# Altium PCB TFT-ES32-V1.1.PcbDoc (part 2 of 2)
Units mm, origin at the board's own origin, x right, y up, seen from the top; angles counter-clockwise.
Board outline 181.1 x 103.94 mm, 2 copper layers (Top, Bottom), stack 1.57 mm thick; 160 components, 110 nets, 535 pads, 316 vias.
Unrouted connection lines stored in the file: 1.
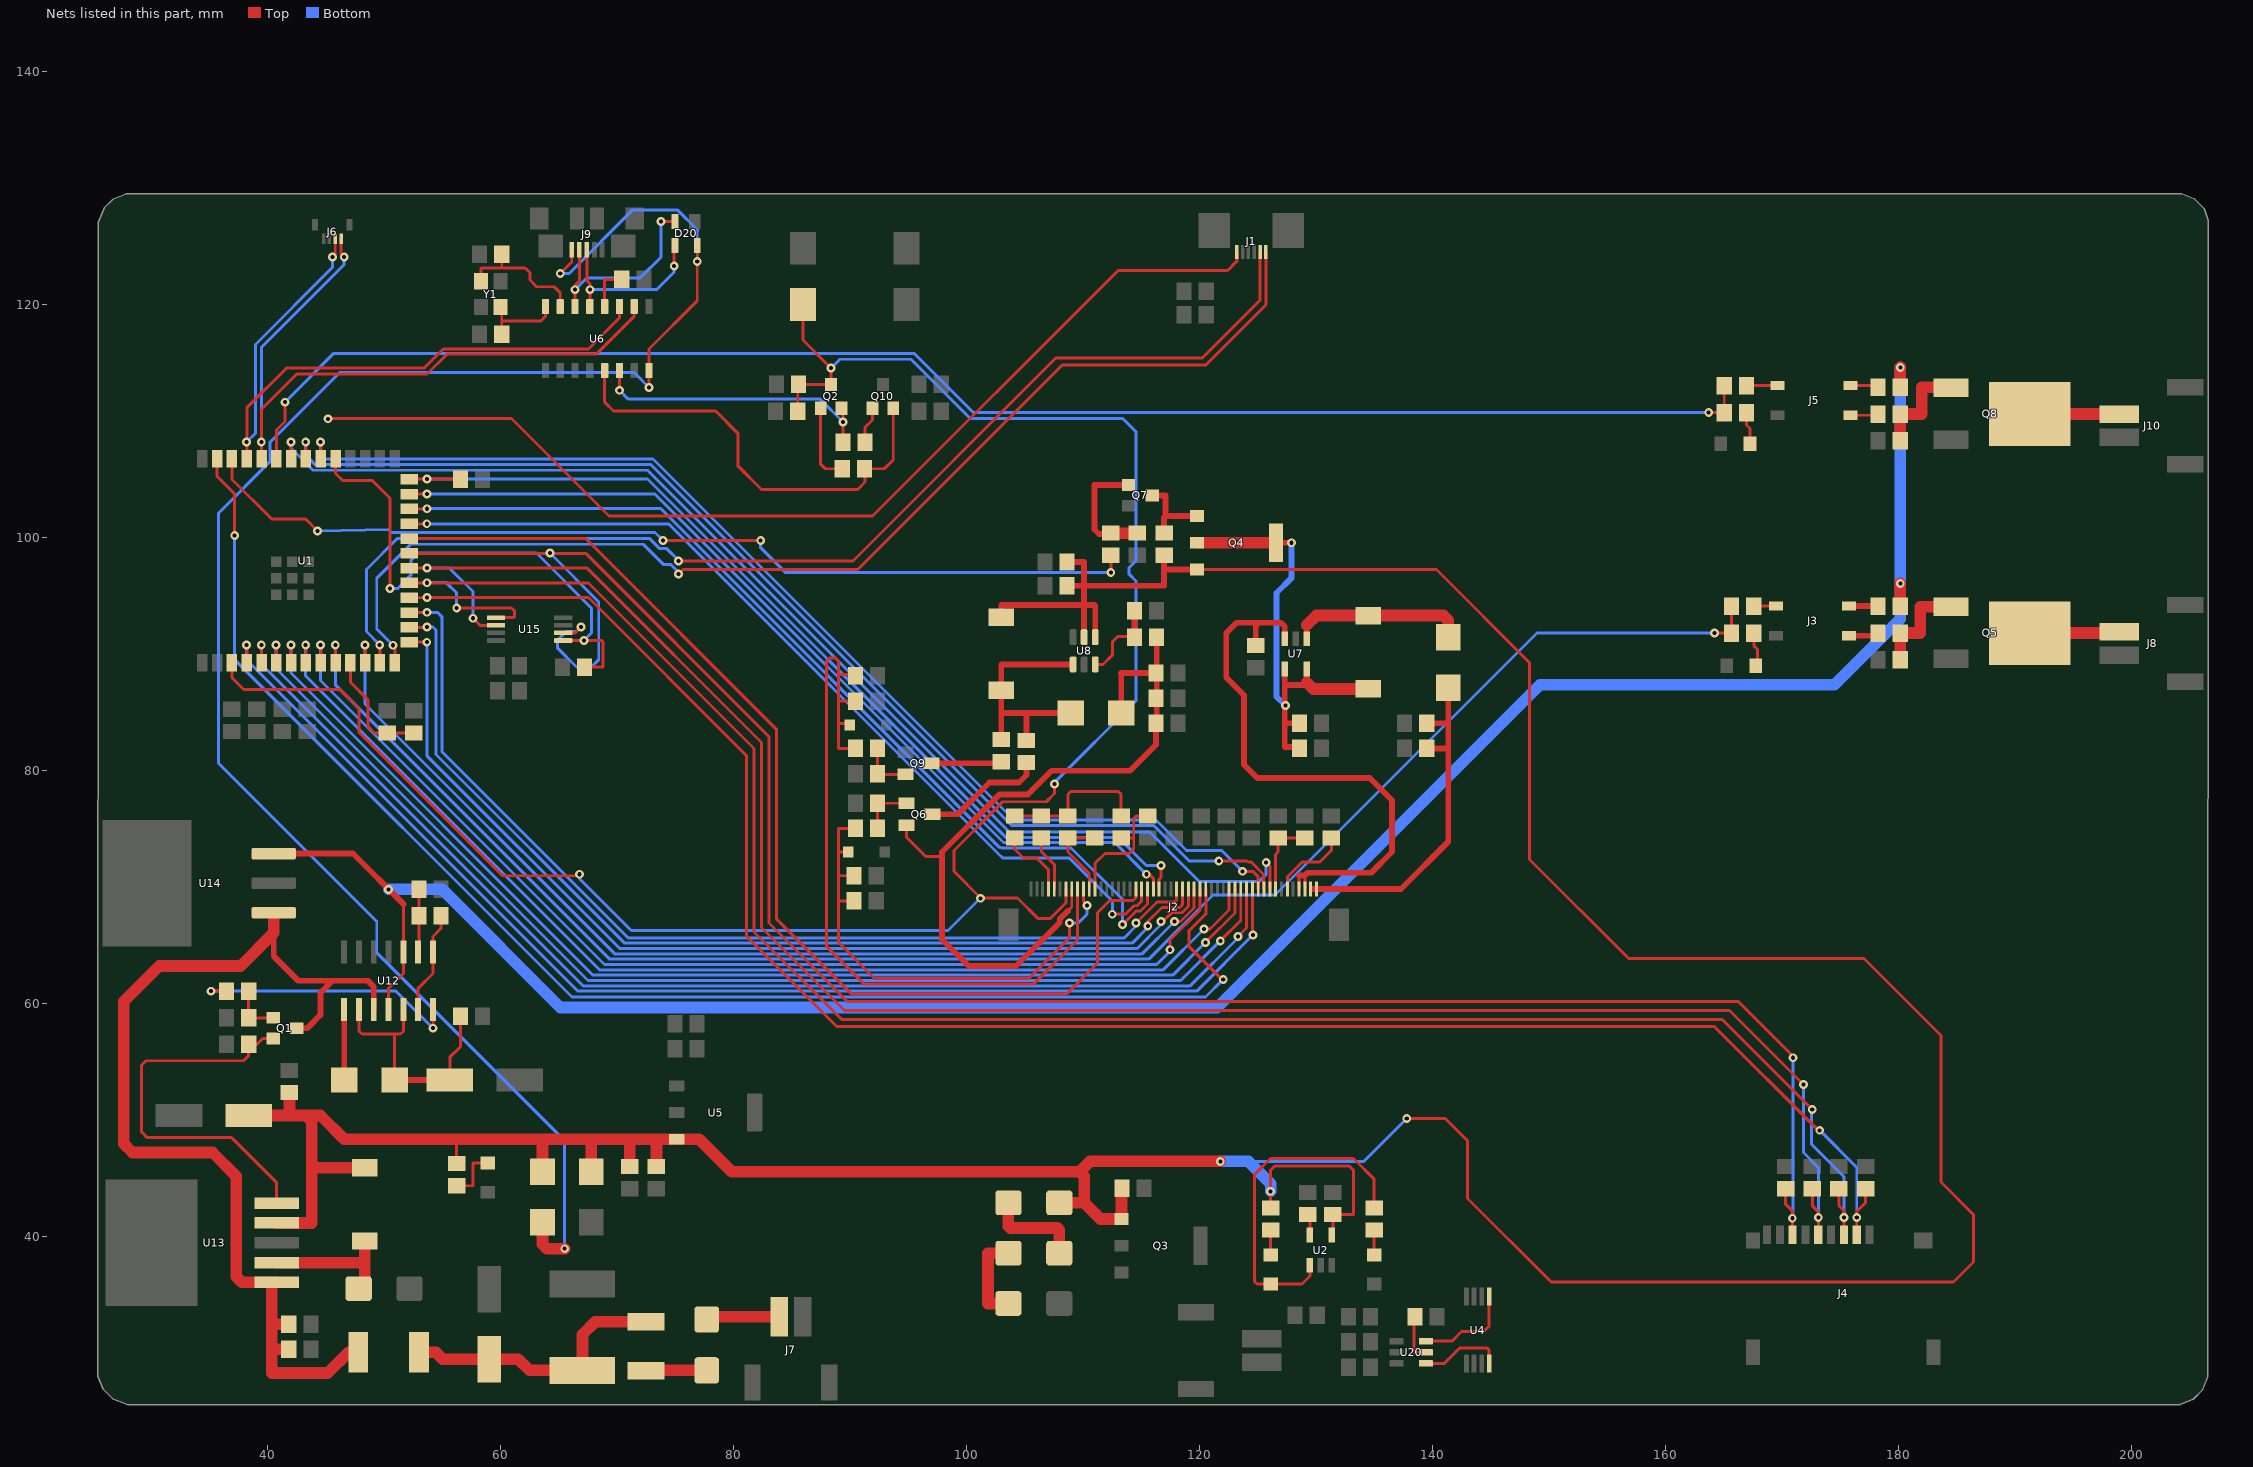
[diagram p2: the nets of this part, all layers, seen from the top]

## Via types
v1: diameter 0.756/0.756 (per signal layer), hole 0.35, Top to Bottom, 312 vias
v2: diameter 4.216/4.216 (per signal layer), hole 3.2, Top to Bottom, 4 vias

## Nets (pads, with @x,y where several pads share a name; then routed paths per layer and width w, separated by ;. In a path a pad name is that pad's centre, name@x,y a point inside that pad or via, vN(x,y) a via of type N, cw(c..) or ccw(c..) an arc to the next point about the centre after c; other vN are vias at no path point) (continued)
NetC11_2: C11.2 FLASH.1 J2.7 Q2.3 R18.1 U1.3 | length 179
  Top w0.254: U1.3@36.981,89.273 36.981,87.987 37.973,86.995 46.228,86.995 47.879,85.344 47.879,83.312 60.198,70.993 v1@66.675,70.993 ; R18.1@85.532,110.871 85.532,113.091 C11.2@85.598,113.157 Q2.3@88.392,113.157 v1(88.392,114.554) 85.979,116.967 FLASH.1@85.979,120.015 ; v1(107.569,78.867) 107.569,78.046 106.866,77.343 103.124,77.343 98.933,73.152 98.933,71.374 101.219,69.088 104.394,69.088 106.172,67.31 107.188,67.31 108.546,68.668 J2.7@108.546,69.856
  Bottom w0.254: v1(66.802,71.12) 66.802,70.739 71.247,66.294 98.425,66.294 v1@101.219,69.088 ; v1(88.392,114.554) 89.154,115.316 95.25,115.316 100.33,110.236 113.411,110.236 114.554,109.093 114.554,98.03 113.973,97.448 113.973,96.862 114.554,96.28 114.554,85.979 107.632,79.057 v1@107.632,78.803
  other v1: 101.219,69.058
NetC14_2: C14.2 C15.2 L1.1 Q4.2 Q4.4 U7.4 U7.5 | length 41.2
  Top w0.254: C15.2@128.539,84.252 C15.2@128.717,84.074 ; 129.007,87.376 129.21,87.579
  Top w0.5: Q4.4@126.59,99.568 v1(127.889,99.568) ; U7.4@127.33,88.748 127.33,87.376 ; C14.2@128.59,82.042 127.33,82.042 127.33,84.074 ; C15.2@128.717,84.074 C15.2@128.59,84.074 127.33,84.074 ; 129.007,87.376 127.33,87.376 ; 129.21,87.579 U7.5@129.21,88.748 ; 127.33,84.074 127.33,87.376
  Top w1: Q4.2@119.79,99.568 Q4.4@126.59,99.568 ; 129.21,87.579 129.769,87.02 L1.1@134.493,87.02
  Bottom w0.5: v1(127.381,85.598) 126.619,86.36 126.619,95.25 127.889,96.52 v1(127.889,99.568)
NetC16_2: C16.2 C17.2 D6.2 J2.49 J2.50 | length 30
  Top w0.254: 141.351,81.28 141.478,81.407 ; 141.351,83.439 141.478,83.566
  Top w0.5: J2.49@129.667,69.856 J2.50@130.046,69.856 137.293,69.856 141.351,73.914 141.351,81.28 141.351,83.439 D6.2@141.351,86.735 ; C17.2@139.507,81.915 141.224,81.915 ; C16.2@139.507,84.074 141.224,84.074
NetC20_2: C20.2 C23.2 C24.2 D9.2 J2.8 Q6.2 R12.2 | length 66
  Top w0.254: Q6.2@94.869,75.316 94.869,74.295 96.52,72.644 97.917,72.644 ; 108.712,67.978 109.046,68.312 J2.8@109.046,69.856 ; 113.284,88.392 113.29,88.386 ; C24.2@116.271,84.074 C24.2@116.332,84.135 ; C20.2@116.271,88.392 C20.2@116.332,88.392
  Top w0.5: 108.712,67.978 108.008,67.273 108.008,66.987 104.267,63.246 100.203,63.246 97.917,65.532 97.917,72.644 97.917,73.025 102.87,77.978 105.283,77.978 107.315,80.01 114.046,80.01 116.271,82.235 C24.2@116.271,84.074 ; 113.284,88.392 C20.2@116.271,88.392 ; D9.2@113.29,84.963 113.29,88.386 ; C24.2@116.332,84.135 116.332,88.392 R12.2@116.332,91.44
NetC25_1: C25.1 Q6.3 | length 10.6
  Top w0.5: Q6.3@97.069,76.266 99.253,76.266 101.981,78.994 104.521,78.994 105.156,79.629 C25.1@105.156,80.711
NetC25_2: C25.2 C29.2 D9.1 L2.2 U8.1 | length 21
  Top w0.254: 102.997,89.1 103.024,89.127 ; 105.156,84.836 105.283,84.963
  Top w0.5: C29.2@102.997,82.672 102.997,84.963 ; 102.997,89.1 L2.2@102.997,86.893 102.997,84.963 ; 103.024,89.127 U8.1@109.159,89.127 ; C25.2@105.156,82.611 105.156,84.836 ; D9.1@108.96,84.963 105.283,84.963 102.997,84.963
NetC26_2: C26.2 Q6.1 R27.2 | length 4.6
  Top w0.254: R27.2@92.39,75.057 C26.2@92.39,77.216 Q6.1@94.869,77.216
NetC27_2: C27.2 D13.2 J2.10 R27.1 R30.2 | length 42.7
  Top w0.254: D13.2@89.865,73.025 89.027,73.025 ; R30.2@90.363,68.834 89.027,68.834 ; C27.2@90.363,70.993 89.154,70.993 89.027,71.12 ; R27.1@90.49,75.057 89.027,75.057 89.027,73.025 ; v1(108.839,66.929) 108.839,65.659 105.359,62.179 92.126,62.179 89.027,65.278 89.027,68.834 ; J2.10@110.046,69.856 110.046,68.77 v1(110.363,68.453) ; 89.027,68.834 89.027,71.12 ; 89.027,71.12 89.027,73.025
  Bottom w0.254: v1(108.839,66.929) 109.601,66.929 110.363,67.691 v1(110.363,68.453)
NetC29_1: C29.1 Q9.3 | length 6.1
  Top w0.254: C29.1@102.87,80.645 C29.1@102.997,80.772
  Top w0.5: Q9.3@96.985,80.645 C29.1@102.87,80.645
NetC33_2: C33.2 Q9.2 R50.2 | length 4.6
  Top w0.254: R50.2@92.39,81.915 C33.2@92.39,79.756 92.451,79.695 Q9.2@94.785,79.695
NetC34_2: C34.2 D15.1 J2.9 R50.1 R52.2 | length 67.5
  Top w0.254: D15.1@89.992,83.947 89.865,84.074 89.027,84.074 ; R50.1@90.49,81.915 89.027,81.915 89.027,84.074 ; C34.2@90.49,85.979 89.027,85.979 ; R52.2@90.49,88.138 90.363,88.265 89.027,88.265 ; J2.9@109.546,69.856 109.546,67.224 109.547,67.222 109.547,66.636 109.546,66.634 109.546,65.477 105.791,61.722 91.186,61.722 88.011,64.897 88.011,89.408 88.265,89.662 88.773,89.662 89.027,89.408 89.027,88.265 ; 89.027,84.074 89.027,85.979 ; 89.027,85.979 89.027,88.265
NetC50_1: C50.1 F1.2 L10.1 RT1.2 | length 23.7
  Top w1: L10.1@53.019,30.099 54.483,30.099 55.07,29.512 C50.1@59.055,29.512 61.547,29.512 62.509,28.55 RT1.2@67.056,28.55 67.056,31.623 68.14,32.707 F1.2@72.517,32.707
NetC57_1: C57.1 D11.2 R46.2 U12.2 U12.5 | length 22.2
  Top w0.254: U12.2@47.879,59.512 47.879,57.658 48.133,57.404 50.927,57.404 ; D11.2@50.933,53.467 50.933,57.398 50.927,57.404 ; U12.5@51.689,59.512 51.689,57.658 51.435,57.404 50.927,57.404 ; C57.1@55.674,53.467 55.674,55.42 56.581,56.327 R46.2@56.581,58.928
  Top w0.5: D11.2@50.933,53.467 C57.1@55.674,53.467
NetC60_2: C60.2 U6.4 | length 3.8
  Top w0.254: U6.4@68.961,119.844 68.961,122.174 C60.2@70.424,122.174
NetC61_2: C61.2 U6.7 Y1.1 | length 11.6
  Top w0.254: Y1.1@58.332,122.004 58.332,123.151 60.071,123.151 ; C61.2@60.132,124.333 60.132,123.212 60.071,123.151 ; U6.7@65.151,119.844 65.151,121.031 64.643,121.539 63.119,121.539 62.545,122.113 62.545,122.748 62.142,123.151 60.071,123.151
NetC62_2: C62.2 U6.8 Y1.3 | length 7.1
  Top w0.254: Y1.3@60.032,119.804 60.132,119.704 60.132,118.618 ; C62.2@60.132,117.475 60.132,118.618 ; U6.8@63.881,119.844 63.881,118.999 63.5,118.618 60.132,118.618
NetD1_A: D1.A J7.1 | length 6.3
  Top w0.254: D1.A@77.724,32.919 D1.A@77.952,33.147
  Top w1: D1.A@77.952,33.147 J7.1@83.947,33.147
NetD1_C: D1.C F1.1 | length 5.2
  Top w0.254: F1.1@72.517,28.507 F1.1@72.559,28.549
  Top w1: F1.1@72.559,28.549 D1.C@77.724,28.549
NetD2_1: D2.1 R3.2 | length 2.1
  Top w0.254: D2.1@126.111,38.461 R3.2@126.111,40.579
NetD2_2: D2.2 R4.1 U2.1 | length 29.3
  Top w0.254: U2.1@129.489,37.567 129.489,36.652 128.798,35.961 D2.2@126.111,35.961 124.948,35.961 124.714,36.195 124.714,45.339 126.111,46.736 133.223,46.736 135.001,44.958 R4.1@135.001,42.479
NetD3_1: D3.1 R4.2 | length 2.1
  Top w0.254: D3.1@135.001,38.461 R4.2@135.001,40.579
NetD5_C: D5.C L11.1 U13.2 | length 12
  Top w0.254: D5.C@47.853,35.56 D5.C@48.387,36.094 ; 48.211,37.797 48.387,37.973
  Top w1: U13.2@40.817,37.797 48.211,37.797 ; D5.C@48.387,36.094 48.387,37.973 L11.1@48.387,39.649
NetD6_1: D6.1 L1.2 U7.1 | length 15.7
  Top w0.5: U7.1@129.21,91.338 129.21,92.507
  Top w1: 129.21,92.507 130.023,93.32 L1.2@134.493,93.32 140.945,93.32 141.351,92.914 D6.1@141.351,91.446 D6.1@141.351,91.065
NetD8_A: D8.A D10.C | length 7.8
  Top w1: D8.A@103.606,34.29 101.854,34.29 101.854,38.608 D10.C@103.606,38.608
NetD10_A: D10.A D16.C | length 8.5
  Top w0.254: 103.606,40.92 103.759,40.767 ; 107.823,40.767 107.976,40.614
  Top w1: 103.606,40.92 D16.C@103.606,42.926 ; 103.759,40.767 107.823,40.767 ; D10.A@107.976,38.608 107.976,40.614
NetD11_1: D11.1 U12.1 | length 6
  Top w0.254: D11.1@46.603,53.467 D11.1@46.609,53.473
  Top w0.5: D11.1@46.609,53.473 U12.1@46.609,59.512
NetD12_1: D12.1 R15.2 | length 3
  Top w0.254: R15.2@167.574,91.821 167.574,90.739 167.889,90.424 167.889,89.169 D12.1@167.747,89.027
NetD14_1: D14.1 R42.1 | length 2.8
  Top w0.254: R42.1@166.939,110.744 166.939,109.667 167.239,109.367 D14.1@167.239,108.077
NetD20_2: D20.2 J9.2 U6.6 | length 17.8
  Top w0.254: U6.6@66.421,119.844 v1(66.421,121.285) 66.421,121.666 66.787,122.032 J9.2@66.787,124.706 ; v1(73.787,127.127) 74.977,127.127 D20.2@74.986,127.136
  Bottom w0.254: v1(66.421,121.285) 67.437,122.301 72.009,122.301 73.787,124.079 v1(73.787,127.127)
NetD20_3: D20.3 J9.3 U6.5 | length 15.1
  Top w0.254: J9.3@67.437,124.706 67.437,122.047 67.691,121.793 v1(67.691,121.285) U6.5@67.691,119.844 ; v1(74.93,123.317) 74.93,125.03 D20.3@74.986,125.086
  Bottom w0.254: v1(67.691,121.285) 73.406,121.285 74.93,122.809 v1(74.93,123.317)
NetDS1_1: DS1.1 R1.1 | length 4.6
  Top w0.254: R1.1@56.261,44.389 57.658,44.389 57.658,46.355 58.908,46.355 DS1.1@58.928,46.335
NetJ1_1: J1.1 U1.14 | length 100.5
  Top w0.254: v1@50.8,90.805 50.951,90.654 U1.14@50.951,89.273 ; v1(75.311,96.901) 75.692,97.282 90.678,97.282 108.204,114.808 120.523,114.808 125.71,119.995 J1.1@125.71,124.505
  Bottom w0.254: v1(50.8,90.775) 49.403,92.172 49.403,96.52 52.324,99.441 72.263,99.441 73.983,97.721 74.603,97.721 75.018,97.306 75.033,97.306 v1@75.311,97.028
NetJ1_2: J1.2 U1.13 | length 100.4
  Top w0.254: U1.13@49.681,89.273 v1@49.681,90.781 ; v1(75.311,98.014) 90.267,98.014 107.696,115.443 120.269,115.443 125.21,120.384 J1.2@125.21,124.505
  Bottom w0.254: v1(49.657,90.805) 48.514,91.948 48.514,97.282 51.181,99.949 72.796,99.949 73.686,99.059 74.296,99.059 v1@75.311,98.044
NetJ1_6: J1.6 | length 91.3
  Top w0.254: v1@45.212,110.236 60.96,110.236 69.342,101.854 91.948,101.854 113.03,122.936 122.428,122.936 123.21,123.718 J1.6@123.21,124.505
  other v1: 45.212,110.206
NetJ2_4: J2.4 R39.2 | length 6.3
  Top w0.254: R39.2@104.14,74.234 104.14,73.279 104.902,72.517 106.045,72.517 107.046,71.516 J2.4@107.046,69.856
NetJ2_5: J2.5 R26.2 | length 4.9
  Top w0.254: R26.2@106.426,74.234 106.426,73.068 107.546,71.948 J2.5@107.546,69.856 ; R26.2@106.672,74.226 R26.2@106.68,74.234
NetJ2_11: J2.11 R32.1 R33.2 | length 7.4
  Top w0.254: J2.11@110.546,69.856 110.546,71.191 108.712,73.025 R32.1@108.712,74.234 R33.2@110.998,74.234
NetJ2_12: J2.12 R34.1 R35.2 | length 11.1
  Top w0.254: J2.12@111.046,69.856 111.046,72.057 111.887,72.898 113.983,72.898 114.364,73.279 114.364,74.168 ; R34.1@113.284,74.234 114.298,74.234 114.364,74.168 ; R35.2@115.57,76.134 114.615,76.134 114.364,75.883 114.364,74.168 ; R35.2@115.697,76.134 R35.2@115.758,76.073
NetJ2_19: J2.19 U1.22 | length 94.8
  Top w0.254: U1.22@52.201,99.928 67.331,99.928 83.693,83.566 83.693,67.31 90.17,60.833 108.585,60.833 111.252,63.5 111.252,67.818 112.31,68.876 114.308,68.876 114.546,69.114 J2.19@114.546,69.856
NetJ2_20: J2.20 U1.23 | length 78.9
  Top w0.254: U1.23@52.201,101.198 v1(53.7,101.198) ; v1(112.522,67.691) 113.653,67.691 114.381,68.418 114.646,68.418 115.046,68.818 J2.20@115.046,69.856
  Bottom w0.254: v1(53.7,101.198) 74.431,101.198 102.935,72.695 102.946,72.695 103.124,72.517 108.839,72.517 112.522,68.834 v1(112.522,67.691)
NetJ2_21: J2.21 U1.24 | length 81.6
  Top w0.254: U1.24@52.201,102.468 v1@53.7,102.468 ; v1@113.157,66.802 v1(113.411,66.802) 114.57,67.961 114.94,67.961 115.546,68.567 J2.21@115.546,69.856
  Bottom w0.254: v1(53.721,102.489) 73.787,102.489 102.87,73.406 102.974,73.406 102.999,73.381 108.991,73.381 113.411,68.961 v1(113.411,66.802)
NetJ2_22: J2.22 U1.25 | length 78.1
  Top w0.254: U1.25@52.201,103.738 v1@53.7,103.738 ; v1@115.697,71.12 116.046,70.771 J2.22@116.046,69.856
  Bottom w0.254: v1(53.721,103.759) 73.267,103.759 103.189,73.838 112.725,73.838 v1(115.443,71.12)
NetJ2_23: J2.23 R31.1 U1.26 | length 83.2
  Top w0.254: U1.26@52.201,105.008 52.222,105.029 v1(53.721,105.029) R31.1@56.581,105.029 ; J2.23@116.546,69.856 116.546,70.687 116.713,70.855 v1(116.713,71.882)
  Bottom w0.254: v1(53.721,105.029) 72.644,105.029 103.378,74.295 113.03,74.295 115.443,71.882 v1(116.713,71.882)
NetJ2_26: J2.26 U1.17 | length 86.6
  Top w0.254: U1.17@52.201,93.578 v1@53.7,93.578 ; v1(114.554,66.929) 116.357,68.732 117.881,68.732 118.046,68.897 J2.26@118.046,69.856
  Bottom w0.254: v1(53.721,93.599) 54.61,93.599 54.991,93.218 54.991,81.661 70.99,65.662 113.541,65.662 114.554,66.675 v1(114.554,66.929)
NetJ2_27: J2.27 U1.16 | length 86.7
  Top w0.254: U1.16@52.201,92.308 v1@53.7,92.308 ; v1(115.57,66.675) 115.57,67.056 116.789,68.275 118.313,68.275 118.546,68.508 J2.27@118.546,69.856
  Bottom w0.254: v1(53.721,92.329) 54.229,92.329 54.483,92.075 54.483,81.407 70.685,65.205 114.227,65.205 v1@115.57,66.548
NetJ2_28: J2.28 U1.15 | length 86.6
  Top w0.254: U1.15@52.201,91.038 v1(53.7,91.038) ; v1(116.713,67.056) 116.854,67.056 117.616,67.818 118.503,67.818 119.046,68.361 J2.28@119.046,69.856
  Bottom w0.254: v1(53.7,91.038) 53.7,81.301 70.254,64.747 114.658,64.747 116.713,66.802 v1(116.713,67.056)
NetJ2_29: J2.29 U1.12 | length 89.9
  Top w0.254: U1.12@48.411,89.273 v1@48.411,90.781 ; v1(117.856,67.056) 118.387,67.056 119.546,68.215 J2.29@119.546,69.856
  Bottom w0.254: v1(48.387,90.805) 48.387,85.725 69.822,64.29 115.09,64.29 v1(117.856,67.056)
NetJ2_30: J2.30 U1.9 | length 94.4
  Top w0.254: U1.9@44.601,89.273 v1@44.601,90.781 ; v1(117.475,64.643) 117.475,65.47 120.046,68.041 J2.30@120.046,69.856
  Bottom w0.254: v1(44.577,90.805) 44.577,87.757 68.958,63.376 116.335,63.376 117.475,64.516 v1(117.475,64.643)
NetJ2_31: J2.31 U1.39 | length 124.9
  Top w0.254: U1.39@35.711,106.773 35.711,105.259 37.211,103.759 v1(37.211,100.203) ; J2.31@120.546,69.856 120.546,67.714 119.126,66.294 119.126,64.897 121.92,62.103 v1(122.047,62.103)
  Bottom w0.254: v1(37.211,100.203) 37.211,89.535 66.167,60.579 120.523,60.579 v1(122.047,62.103)
NetJ2_35: J2.35 U1.8 | length 97.8
  Top w0.254: U1.8@43.331,89.273 v1@43.331,90.781 ; v1(120.396,66.421) 120.904,66.421 122.546,68.063 J2.35@122.546,69.856
  Bottom w0.254: v1(43.307,90.805) 43.307,88.138 68.526,62.919 116.894,62.919 v1(120.396,66.421)
NetJ2_36: J2.36 U1.7 | length 100
  Top w0.254: v1(42.037,90.805) 42.061,90.781 U1.7@42.061,89.273 ; v1(120.523,65.278) 123.046,67.801 J2.36@123.046,69.856
  Bottom w0.254: v1(42.037,90.805) 42.037,88.392 67.968,62.461 117.706,62.461 v1(120.523,65.278)
NetJ2_37: J2.37 U1.6 | length 102.1
  Top w0.254: U1.6@40.791,89.273 v1@40.791,90.654 ; v1(121.793,65.405) 123.546,67.158 J2.37@123.546,69.856
  Bottom w0.254: v1(40.767,90.805) 40.767,88.773 67.536,62.004 118.392,62.004 v1(121.793,65.405)
NetJ2_38: J2.38 U1.5 | length 104.7
  Top w0.254: U1.5@39.37,89.424 U1.5@39.521,89.273 v1@39.521,90.781 ; v1(123.317,65.786) 124.046,66.515 J2.38@124.046,69.856
  Bottom w0.254: v1(39.497,90.805) 39.497,89.154 67.104,61.547 119.205,61.547 v1@123.317,65.659
NetJ2_39: J2.39 U1.4 | length 106.7
  Top w0.254: v1@38.227,90.551 38.251,90.527 U1.4@38.251,89.273 ; J2.39@124.546,69.856 124.546,65.954 v1(124.587,65.913)
  Bottom w0.254: v1(38.227,90.805) 38.227,89.535 66.672,61.09 119.764,61.09 v1(124.587,65.913)
NetJ2_40: J2.40 U1.32 | length 99.1
  Top w0.254: U1.32@44.601,106.773 v1@44.601,108.204 ; v1@123.571,71.374 v1(123.698,71.374) 124.587,71.374 125.046,70.915 J2.40@125.046,69.856
  Bottom w0.254: v1(44.577,108.204) 44.577,107.188 45.009,106.756 73.101,106.756 104.089,75.768 116.267,75.768 118.884,73.152 121.92,73.152 v1(123.698,71.374)
NetJ2_41: J2.41 U1.33 | length 100.9
  Top w0.254: U1.33@43.331,106.773 v1@43.331,108.204 ; v1(121.666,72.263) 124.093,72.263 124.167,72.19 124.418,72.19 125.503,71.105 125.503,69.899 J2.41@125.546,69.856
  Bottom w0.254: v1(43.307,108.204) 43.307,107.073 44.081,106.299 72.898,106.299 103.886,75.311 116.078,75.311 119.126,72.263 v1(121.666,72.263)
NetJ2_42: J2.42 U1.34 | length 104.7
  Top w0.254: U1.34@42.061,106.773 v1@42.061,108.204 ; v1(125.73,72.136) 126.046,71.82 J2.42@126.046,69.856
  Bottom w0.254: v1(42.037,108.204) 42.037,107.696 43.942,105.791 72.644,105.791 103.683,74.752 115.748,74.752 120.015,70.485 125.095,70.485 125.73,71.12 v1(125.73,72.136)
NetJ2_43: J2.43 R36.1 R37.2 | length 6.7
  Top w0.254: J2.43@126.546,69.856 126.546,72.825 126.746,73.025 R36.1@126.746,74.234 R37.2@129.032,74.234
NetJ2_45: J2.45 R25.1 | length 6.8
  Top w0.254: J2.45@127.546,69.856 127.546,70.892 128.84,72.187 130.353,72.187 131.318,73.152 R25.1@131.318,74.234
NetJ2_47: J2.47 J2.48 R10.2 U7.3 | length 50.2
  Top w0.254: J2.47@128.546,69.856 128.546,71.007 ; J2.48@129.046,69.856 129.046,71.007
  Top w0.5: R10.2@124.841,90.612 R10.2@124.841,90.739 124.841,92.456 125.095,92.71 ; U7.3@127.33,91.338 127.33,92.38 127,92.71 125.095,92.71 ; 128.546,71.007 129.046,71.007 129.286,71.247 134.747,71.247 136.525,73.025 136.525,77.47 134.62,79.375 124.968,79.375 123.825,80.518 123.825,86.487 122.301,88.011 122.301,91.821 123.19,92.71 125.095,92.71
NetJ3_ANODE: J3.ANODE R13.2 | length 1.9
  Top w0.254: R13.2@167.574,94.107 167.604,94.137 J3.ANODE@169.497,94.137
NetJ3_COLLECTOR: J3.COLLECTOR R14.1 | length 2.5
  Top w0.254: R14.1@178.217,94.137 R14.1@178.247,94.107
  Top w0.5: J3.COLLECTOR@175.747,94.137 R14.1@178.217,94.137
NetJ3_EMITTER: J3.EMITTER R16.1 | length 2.6
  Top w0.254: R16.1@178.013,91.587 R16.1@178.247,91.821
  Top w0.5: J3.EMITTER@175.747,91.587 R16.1@178.013,91.587
NetJ4_2: J4.2 R20.1 U1.18 | length 161.4
  Top w0.254: U1.18@52.201,94.848 v1@53.7,94.848 ; v1(53.721,94.869) 67.564,94.869 81.153,81.28 81.153,65.786 88.9,58.039 164.211,58.039 173.101,49.149 v1(173.228,49.149) ; J4.2@176.41,40.834 v1(176.41,41.656) 176.41,42.171 177.165,42.926 R20.1@177.165,44.135
  Bottom w0.254: v1(173.228,49.149) 176.41,45.967 v1(176.41,41.656)
NetJ4_3: J4.3 R21.1 U1.19 U15.5 | length 173.6
  Top w0.254: U1.19@52.201,96.118 67.585,96.118 81.788,81.915 81.788,66.167 89.281,58.674 164.846,58.674 v1(172.593,50.927) ; v1(56.261,93.98) 60.96,93.98 61.214,93.726 61.214,93.218 61.132,93.136 U15.5@59.645,93.136 ; R21.1@174.879,44.135 174.879,42.672 175.31,42.241 v1(175.31,41.656) J4.3@175.31,40.834
  Bottom w0.254: v1(53.721,96.139) 55.372,96.139 56.261,95.25 v1(56.261,93.98) ; v1(172.593,50.927) 172.52,50.854 172.52,47.952 175.31,45.162 v1(175.31,41.656)
NetJ4_5: J4.5 R17.1 U1.20 U15.6 | length 172.1
  Top w0.254: U1.20@52.201,97.388 67.458,97.388 82.423,82.423 82.423,66.548 89.535,59.436 165.481,59.436 v1(171.831,53.086) ; v1(57.658,93.091) 58.263,92.486 U15.6@59.645,92.486 ; R17.1@172.593,44.135 172.593,42.672 173.11,42.155 v1(173.11,41.656) J4.5@173.11,40.834
  Bottom w0.254: v1(53.721,97.409) 55.626,97.409 57.658,95.377 v1(57.658,93.091) ; v1(171.831,53.086) 171.831,47.244 173.11,45.965 v1(173.11,41.656)
NetJ4_7: J4.7 R19.1 U1.21 U15.2 | length 183.7
  Top w0.254: U1.21@52.201,98.658 67.331,98.658 83.058,82.931 83.058,66.929 89.789,60.198 166.243,60.198 v1@170.942,55.499 ; U15.2@65.405,91.836 66.436,91.836 v1(66.929,92.329) ; R19.1@170.307,44.135 170.307,42.799 170.91,42.196 J4.7@170.91,40.834
  Bottom w0.254: v1(64.262,98.679) 68.453,94.488 68.453,89.535 67.818,88.9 66.548,88.9 64.897,90.551 64.897,91.186 65.659,91.948 66.548,91.948 v1(66.929,92.329) ; v1(170.88,41.602) 170.942,41.664 v1(170.942,55.372) v1@170.942,55.499
NetJ5_ANODE: J5.ANODE R40.1 | length 2.7
  Top w0.254: R40.1@166.939,113.03 166.969,113.06 J5.ANODE@169.624,113.06
NetJ5_COLLECTOR: J5.COLLECTOR R41.2 | length 2.4
  Top w0.254: J5.COLLECTOR@175.874,113.06 178.09,113.06 R41.2@178.247,112.903
NetJ5_EMITTER: J5.EMITTER R49.2 | length 2.4
  Top w0.254: J5.EMITTER@175.874,110.51 178.14,110.51 R49.2@178.247,110.617
NetJ6_1: J6.1 U1.36 U6.2 | length 60.9
  Top w0.254: U1.36@39.521,106.773 39.521,111.022 42.545,114.046 53.721,114.046 55.423,115.748 68.25,115.748 71.501,118.999 U6.2@71.501,119.844 ; J6.1@46.343,125.673 46.343,124.345 v1(46.609,124.079)
  Bottom w0.254: v1(39.497,108.204) 39.497,116.332 46.609,123.444 v1(46.609,124.079)
NetJ6_2: J6.2 U1.37 U6.3 | length 61.2
  Top w0.254: U1.37@38.251,106.773 38.251,111.149 41.656,114.554 53.467,114.554 55.118,116.205 67.564,116.205 70.231,118.872 U6.3@70.231,119.844 ; v1(45.593,124.079) 45.843,124.329 J6.2@45.843,125.673
  Bottom w0.254: v1(38.227,108.204) 38.989,108.966 38.989,116.586 45.593,123.19 v1(45.593,124.079)
NetJ8_2: J8.2 Q5.4 | length 7.7
  Top w0.254: J8.2@198.834,91.821 J8.2@198.947,91.934
  Top w1: Q5.4@191.262,91.821 J8.2@198.834,91.821
NetJ10_2: J10.2 Q8.4 | length 7.7
  Top w0.254: J10.2@198.933,110.617 J10.2@198.947,110.603
  Top w1: Q8.4@191.262,110.617 J10.2@198.933,110.617
NetQ1_1: Q1.1 R43.2 R45.2 | length 4.4
  Top w0.254: R45.2@38.415,61.087 R43.2@38.415,58.801 Q1.1@40.513,58.801
NetQ1_2: Q1.2 R44.2 U13.5 | length 33.7
  Top w0.254: Q1.2@40.513,57.023 39.624,57.023 39.116,56.515 R44.2@38.415,56.515 38.415,55.56 37.973,55.118 29.591,55.118 29.21,54.737 29.21,49.022 29.718,48.514 36.957,48.514 40.817,44.654 U13.5@40.817,42.897
NetQ2_1: Q2.1 R53.2 | length 6.8
  Top w0.254: Q2.1@87.503,111.125 87.503,106.299 87.884,105.918 R53.2@89.347,105.918
NetQ2_2: Q2.2 R54.1 U6.14 | length 25
  Top w0.254: v1(70.231,112.649) U6.14@70.231,114.344 ; Q2.2@89.281,111.125 89.413,110.993 R54.1@89.413,108.204
  Bottom w0.254: v1(70.231,112.649) 70.993,111.887 87.465,111.887 v1(89.424,109.928)
NetQ4_1: Q4.1 Q7.3 R24.1 | length 7.1
  Top w0.5: Q7.3@115.951,103.632 117.094,103.632 117.094,101.854 ; R24.1@116.967,100.391 116.967,101.727 117.094,101.854 ; Q4.1@119.79,101.868 117.108,101.868 117.094,101.854
NetQ5_1: Q5.1 R16.2 R23.2 | length 8.9
  Top w1: R23.2@180.147,89.535 R16.2@180.147,91.821 181.864,91.821 181.864,94.082 Q5.1@184.482,94.082
NetQ7_1: Q7.1 R28.1 R29.2 | length 11.3
  Top w0.254: R28.1@111.983,99.853 112.459,100.327 R28.1@112.522,100.391
  Top w0.5: R28.1@112.459,100.327 111.382,100.327 110.998,100.711 110.998,104.521 Q7.1@113.919,104.521
  Top w1: R28.1@112.522,100.391 R29.2@114.681,100.391
NetQ8_1: Q8.1 R49.1 R51.1 | length 8.9
  Top w0.254: Q8.1@184.456,112.903 Q8.1@184.482,112.878
  Top w1: R51.1@180.147,108.331 R49.1@180.147,110.617 181.991,110.617 181.991,112.903 Q8.1@184.456,112.903
NetQ10_1: Q10.1 R54.2 | length 3.2
  Top w0.254: R54.2@91.313,108.204 91.313,109.474 91.948,110.109 Q10.1@91.948,111.125
NetQ10_2: Q10.2 R53.1 U6.13 | length 38.5
  Top w0.254: U6.13@68.961,114.344 68.961,111.633 69.723,110.871 78.486,110.871 80.391,108.966 80.391,106.172 82.423,104.14 90.678,104.14 91.313,104.775 91.313,105.852 R53.1@91.247,105.918 92.964,105.918 93.726,106.68 Q10.2@93.726,111.125
NetR6_2: R6.2 U2.5 | length 1.8
  Top w0.254: R6.2@129.286,41.91 129.489,41.707 U2.5@129.489,40.157
NetR7_1: R7.1 R9.2 U1.11 | length 10.2
  Top w0.254: U1.11@47.141,89.273 47.141,87.606 48.641,86.106 48.641,83.82 49.21,83.251 R7.1@50.292,83.251 R9.2@52.578,83.251
NetR8_2: R8.2 U20.2 | length 4.1
  Top w0.254: R8.2@138.496,33.147 138.43,33.081 138.43,30.099 U20.2@139.431,30.099
NetR12_1: R12.1 R22.2 U8.3 | length 7.4
  Top w0.254: U8.3@111.059,89.127 111.733,89.127 112.522,89.916 112.522,91.059 113.003,91.54 114.332,91.54 R12.1@114.432,91.44
  Top w0.5: R12.1@114.432,91.44 R22.2@114.432,93.726
NetR13_1: R13.1 R15.1 U1.10 | length 148.6
  Top w0.254: v1(45.847,90.805) 45.847,90.678 45.871,90.654 U1.10@45.871,89.273 ; v1(164.211,91.821) R15.1@165.674,91.821 R13.1@165.674,94.107
  Bottom w0.254: v1(45.847,90.805) 45.847,87.376 69.39,63.833 115.649,63.833 121.158,69.342 126.492,69.342 148.971,91.821 v1(164.211,91.821) v1@164.338,91.821
NetR26_1: R26.1 R32.2 R34.2 R39.1 | length 12.7
  Top w0.254: R39.1@104.521,76.134 R26.1@106.426,76.134 R32.2@108.712,76.134 108.712,77.978 108.966,78.232 113.03,78.232 113.284,77.978 R34.2@113.284,76.134
NetR28_2: R28.2 U1.38 | length 82.6
  Top w0.254: U1.38@36.981,106.773 36.981,105.005 40.386,101.6 43.307,101.6 v1(44.323,100.584) ; v1(73.979,99.768) v1(82.35,99.768) v1@82.55,99.568 ; v1(112.395,97.028) R28.2@112.395,98.491
  Bottom w0.254: v1(44.323,100.584) 50.419,100.711 50.673,100.457 73.279,100.457 v1@73.914,99.822 ; v1(82.35,99.768) 82.35,99.133 84.455,97.028 v1(112.395,97.028)
NetR40_2: R40.2 R42.2 U1.35 | length 134.8
  Top w0.254: U1.35@40.791,106.773 40.791,109.244 41.529,109.982 v1(41.529,111.633) ; v1(163.703,110.744) R42.2@165.039,110.744 R40.2@165.039,113.03
  Bottom w0.254: v1(41.529,111.633) 45.72,115.824 95.504,115.824 100.584,110.744 v1(163.703,110.744)
NetR45_1: R45.1 U12.7 | length 23.3
  Top w0.254: v1(35.179,61.087) R45.1@36.515,61.087 ; v1(54.229,57.912) U12.7@54.229,59.512
  Bottom w0.254: v1(35.179,61.087) 51.054,61.087 v1(54.229,57.912)
NetR47_2: R47.2 R48.2 U12.9 | length 5.4
  Top w0.254: U12.9@52.959,64.44 53.025,64.506 R48.2@53.025,67.564 R47.2@53.025,69.85
NetR48_1: R48.1 U12.6 U12.8 | length 8.9
  Top w0.254: U12.6@52.959,59.512 52.959,61.341 54.229,62.611 U12.8@54.229,64.44 54.229,65.786 54.925,66.482 R48.1@54.925,67.564
NetR90_1: R90.1 U1.31 U15.1 | length 46.1
  Top w0.254: U1.31@45.871,106.773 45.871,105.513 46.482,104.902 49.022,104.902 50.546,103.378 v1(50.546,95.631) ; U15.1@65.405,91.186 v1(67.183,91.186) 68.707,91.186 68.834,91.059 68.834,88.9 R90.1@67.244,88.9
  Bottom w0.254: v1(50.546,95.631) 51.181,95.631 52.324,96.774 52.324,98.044 52.959,98.679 63.119,98.679 67.818,93.98 67.818,91.821 v1(67.183,91.186)
NetU4_4: U4.4 U20.1 | length 7.2
  Top w0.254: U20.1@139.431,29.149 141.036,29.149 142.367,30.48 144.653,30.48 144.866,30.267 U4.4@144.866,29.124
NetU4_5: U4.5 U20.3 | length 8.5
  Top w0.254: U20.3@139.431,31.049 141.666,31.049 142.494,31.877 144.399,31.877 144.866,32.344 U4.5@144.866,34.884
V_EX: C51.1 C52.2 L10.2 Q1.3 U12.3 U13.1 U14.1 | length 90.9
  Top w0.254: U13.1@40.386,35.666 U13.1@40.817,36.097 ; L10.2@46.99,30.099 L10.2@47.819,30.099
  Top w0.5: 40.563,66.09 40.563,64.085 42.672,61.976 45.593,61.976 ; Q1.3@42.545,57.912 43.434,57.912 44.577,59.055 44.577,60.96 45.593,61.976 ; U12.3@49.149,59.512 49.149,61.468 48.641,61.976 45.593,61.976
  Top w1: U13.1@40.386,35.666 40.386,32.512 ; U14.1@40.563,67.818 40.563,66.09 37.719,63.246 30.734,63.246 27.686,60.198 27.686,48.006 28.448,47.244 35.306,47.244 37.338,45.212 37.338,36.576 37.817,36.097 U13.1@40.817,36.097 ; C52.2@41.849,30.353 40.386,30.353 ; C51.1@41.849,32.512 40.386,32.512 ; L10.2@46.99,30.099 45.212,28.321 40.386,28.321 40.386,30.353 ; 40.386,30.353 40.386,32.512
V_EXT_REG: R14.2 R41.1 U12.4 U12.10 U14.3 | length 195.5
  Top w0.254: U12.4@50.419,59.512 50.419,61.341 51.689,62.611 U12.10@51.689,64.44 51.689,68.55
  Top w0.5: U14.3@40.563,72.898 47.371,72.898 51.689,68.58 51.689,68.55
  Top w1: R14.2@180.147,94.107 v1(180.147,96.073) ; R41.1@180.147,112.903 v1(180.147,114.615)
  Bottom w1: v1(50.419,69.82) 55.021,69.82 65.151,59.69 121.539,59.69 149.225,87.376 174.498,87.376 180.147,93.025 v1(180.147,96.073) v1(180.147,114.615)
VBUS: D7.1 D20.4 J9.1 U6.16 | length 156.9
  Top w0.254: v1(65.151,122.682) 66.137,123.668 J9.1@66.137,124.706 ; v1(72.771,112.903) U6.16@72.771,114.344 72.771,116.205 76.906,120.34 v1(76.906,123.698) D20.4@76.906,125.086
  Top w1: D7.1@63.627,41.269 63.627,39.37 64.008,38.989 v1(65.532,38.989)
  Bottom w0.254: v1(65.151,122.682) 65.913,122.682 71.374,128.143 75.184,128.143 76.962,126.365 76.906,126.309 v1(76.906,123.698) ; v1@65.532,38.735 v1(65.532,38.989) 65.532,48.26 49.403,64.389 49.403,67.056 35.814,80.645 35.814,102.108 40.259,106.553 40.259,108.204 46.228,114.173 71.501,114.173 v1(72.771,112.903)
VCC: C2.2 C8.1 C10.2 C18.1 C19.2 C53.1 C55.2 D4.2 D7.2 D16.A L2.1 L11.2 Q3.1 Q4.3 R1.2 R3.1 R11.1 R24.2 U2.4 U5.3 U8.4 U8.5 U13.4 | length 370.5
  Top w0.254: 41.783,50.419 41.91,50.546 ; 43.815,45.974 43.84,45.949 ; R1.2@56.261,46.289 56.261,48.387 ; 63.627,48.26 63.754,48.387 ; 67.818,48.26 67.945,48.387 ; 73.279,48.387 73.406,48.26 ; 110.993,94.234 111.059,94.168 ; R11.1@113.313,44.159 R11.1@113.35,44.196 ; 116.967,97.282 116.981,97.268 ; Q4.3@119.79,97.268 140.349,97.268 148.336,89.281 148.336,72.39 156.845,63.881 177.038,63.881 183.642,57.277 183.642,44.704 186.436,41.91 186.436,37.846 184.712,36.122 150.187,36.122 143.002,43.307 143.002,48.26 141.097,50.165 v1(137.795,50.165) ; R3.1@126.111,42.479 v1(126.111,43.912) 126.111,45.72 126.492,46.101 132.842,46.101 133.223,45.72 133.223,41.91 C2.2@131.445,41.91 131.445,40.234 U2.4@131.369,40.157
  Top w0.5: L2.1@102.997,92.812 L2.1@102.997,93.193 102.997,94.234 110.109,94.234 ; C18.1@108.646,95.885 110.109,95.885 ; C19.2@108.646,97.917 110.109,97.917 110.109,95.885 ; U8.5@110.109,91.467 110.109,94.234 ; 110.993,94.234 110.109,94.234 ; U8.4@111.059,91.467 111.059,94.168 ; R24.2@116.967,98.491 116.967,97.282 116.967,95.885 110.109,95.885 ; 116.981,97.268 Q4.3@119.79,97.268 ; 110.109,94.234 110.109,95.885
  Top w1: C53.1@38.433,50.419 41.783,50.419 43.307,50.419 ; U13.4@40.817,41.197 43.815,41.197 43.815,45.974 43.815,49.911 43.307,50.419 ; 41.91,50.546 C55.2@41.91,52.39 ; 43.84,45.949 L11.2@48.387,45.949 ; D7.2@63.627,45.599 63.627,48.26 ; D4.2@67.818,45.599 67.818,48.26 ; C8.1@71.12,46.035 71.12,48.387 ; C10.2@73.406,46.035 73.406,48.26 ; U5.3@75.141,48.383 77.093,48.383 79.883,45.593 109.728,45.593 ; U5.3@75.141,48.387 73.279,48.387 71.12,48.387 ; D16.A@107.976,42.926 110.109,42.926 ; R11.1@113.313,44.159 Q3.1@113.313,41.543 111.492,41.543 110.109,42.926 ; v1(121.793,46.482) 110.617,46.482 109.728,45.593 ; 43.307,50.419 44.577,50.419 46.609,48.387 56.261,48.387 63.754,48.387 67.945,48.387 71.12,48.387 ; 109.728,45.593 110.109,45.212 110.109,42.926
  Bottom w0.254: 124.206,46.482 134.112,46.482 v1(137.795,50.165)
  Bottom w1: v1(121.793,46.482) 124.206,46.482 126.111,44.577 v1(126.111,43.912)
pads on no net: J1.3 J1.Z1 J1.Z2 J2.1 J2.2 J2.6 J2.33 J2.S1 J2.S2 J4.1 J4.8 J4.CD J7.Z1 J7.Z2 J8.Z1 J8.Z2 J9.4 J9.GND J10.Z1 J10.Z2 J11.Z1 J11.Z2 U1.28 U1.29 U1.30 U4.1 U4.8 U6.9 U6.10 U6.11 U6.12 U6.15 U8.6 U12.12 U12.13 U12.14 U20.4
copper on no net:
  other v1: 46.355,94.615 46.355,97.663 80.772,103.505 78.105,105.41
  other v2: 29.064,29.056 203.064,29.056 29.067,126.046 203.064,126.046

## Polygon pours and split planes (outlines as drawn)
GND on Top "TOP-GND" (solid, pour order 41): 33.5,77.5 25.5,77.5 25.5,32.5 32.5,32.5 32.5,25.587 199.5,25.587 199.5,32.5 206.546,32.5 206.546,122.477 206.569,122.5 199.5,122.5 199.5,129.523 199.476,129.499 33.5,129.499
NetC4_2 on Top "Top-3V3 8" (solid, remove dead copper, pour order 20): 231.739,124.35
GND on Bottom "BOTTOM-GND" (solid, pour order 43): 33.5,77.5 25.5,77.5 25.5,32.531 25.469,32.5 32.5,32.5 32.5,25.587 199.5,25.587 199.5,32.5 206.546,32.5 206.546,122.477 206.569,122.5 199.5,122.5 199.5,129.523 199.477,129.5 33.5,129.5

## Keep-outs
Keep-Out Layer:
  the board outline again, w0.1

## Other copper
Top:
  pour cut-out: 88.9,140.589 89.154,140.589 89.154,140.843 88.9,140.843

## Silkscreen, mask and mechanical layers (free items; w line width, h text height)
Top Overlay:
  text "J4" at 155.194,119.126 h1.57
  text "1" at 105.156,63.5 h1.57
  text "50" at 130.048,63.373 h1.57
  text "12-24V" at 81.407,35.306 h1.26
  text "GND" at 87.757,35.179 h1.26
  text "+" at 117.602,32.766 h3.39 r90
  text "-" at 117.348,26.543 h3.94 r90
Bottom Overlay:
  lines w0.254: 33.475,27.4 33.575,27.3 198.625,27.3 198.625,127.65 198.575,127.7 33.475,127.7 33.475,27.4
Dimension:
  lines w0.1: 25.468,28.069 25.493,127.041 26.009,128.287 26.751,129.029 27.884,129.498 204.301,129.524 205.399,129.069 206.217,128.251 206.57,127.215 206.544,27.997 206.079,26.874 205.279,26.074 204.102,25.587 28.037,25.587 26.73,26.128 25.948,26.91 25.468,28.069 ; 102.691,49.388 102.786,49.025 102.894,48.863 103.244,48.412 103.322,48.318 104,48 132.09,47.974 132.593,48.369 133.038,49.093 133.214,49.693 133.163,50.091 133.005,50.546 132.585,51.016 132.333,51.221 132.02,51.378 104.005,51.403 103.497,51.193 102.817,50.513 102.691,49.989 102.691,49.388 ; 147.704,42.983 148.173,42.203 149.132,41.696 158.54,41.696 159.399,42.269 159.8,43.018 159.8,54.318 159.399,55.067 158.54,55.64 149.132,55.64 148.104,54.975 147.704,54.239 147.704,42.983
Top Assembly:
  drawing of 1555 lines, arcs and shapes, not listed
  text "V1.1" at 94.107,27.559 h2.6
Bottom Assembly:
  lines w0.001: 33.459,124.649 33.459,127.699 33.461,127.702 36.392,127.702 ; 33.459,27.413 33.461,27.41 36.512,27.41 ; 195.603,127.697 198.653,127.697 198.656,127.695 198.656,124.764
  lines w0.01: 33.459,27.413 33.459,30.344
Unrouted:
  lines w0: 36.187,63.89 38.041,63.814 39.463,63.839 ; 37.303,104.27 37.303,104.276 ; 50.969,45.018 50.998,47.918 ; 55.55,116.733 55.55,118.388 ; 59.499,109.415 59.506,109.186 ; 74.636,44.563 74.813,44.563 74.788,44.41 ; 74.788,39.94 74.788,41.362 74.788,42.81 ; 84.796,119.387 84.812,119.54 ; 88.868,111.767 89.192,111.793 ; 114.495,112.836 115.892,112.811 134.949,112.811 ; 117.241,83.012 119.146,82.961 ; 117.455,76.142 118.828,76.109 ; 120.17,74.625 120.463,74.585 ; 124.785,75.976 125.308,75.388 ; 128.595,86.086 130.195,86.086 ; 128.801,69.303 128.546,69.856 129.046,69.856 ; 129.546,69.856 129.624,69.856 ; 130.308,75.388 131.144,75.815 ; 142.076,64.718 143.672,64.593 145.352,64.718 ; 142.076,68.738 143.672,68.779 145.352,68.738 ; 145.372,63.174 145.352,63.194 146.78,63.194 ; 145.372,70.282 145.352,70.262 146.78,70.262 ; 152.576,68.738 152.654,68.66 ; 153.164,59.51 154.592,59.51 ; 156.356,59.469 158.96,59.498 ; 164.959,56.9 165.002,58.412 ; 170.498,118.94 170.552,118.052 ; 172.205,91.263 172.232,91.296 ; 175.096,40.772 175.283,40.318 ; 181.472,69.867 181.499,71.285 181.524,72.706 ; 182.789,95.625 195.873,114.298 ; 183.511,57.506 183.641,53.69 ; 184.154,64.747 184.463,64.783 ; 184.888,47.628 184.914,47.628 ; 186.184,53.228 187.454,53.228 ; 187.264,62.658 187.346,62.575 187.309,60.88 ; 195.873,115.822 197.55,115.823 ; 198.221,74.37 198.221,74.67 198.221,79.17 198.323,79.323 198.221,79.47

## Dimensions
25.468,140.954 to 206.494,141.411 on Dimension
-15.426,129.6 to -15.629,25.587 on Dimension

## Text inside footprints (layer, text, board x,y; h text height)
J1: Top Overlay "1" at 129.794,126.365 h0.81 r180
J7: Top Overlay "1" at 83.427,29.762 h1.27; Milling "1" at 83.427,29.762 h1.27
J8: Top Overlay "1" at 202.332,89.414 h1.27 r90; Milling "1" at 202.332,89.414 h1.27 r90
J10: Top Overlay "1" at 202.332,108.083 h1.27 r90; Milling "1" at 202.332,108.083 h1.27 r90
J11: Top Overlay "1" at 121.964,31.762 h1.27 r270; Milling "1" at 121.964,31.762 h1.27 r270
Q5: Milling "4" at 191.254,92.152 h0.61 r270; Milling "3" at 186.881,89.839 h0.61 r270; Milling "2" at 186.882,92.024 h0.61 r270; Milling "1" at 186.878,94.238 h0.61 r270
Q8: Milling "4" at 191.254,110.948 h0.61 r270; Milling "3" at 186.881,108.635 h0.61 r270; Milling "2" at 186.882,110.82 h0.61 r270; Milling "1" at 186.878,113.034 h0.61 r270